# KiCad board BACKUP_PCB.kicad_pcb (continued)
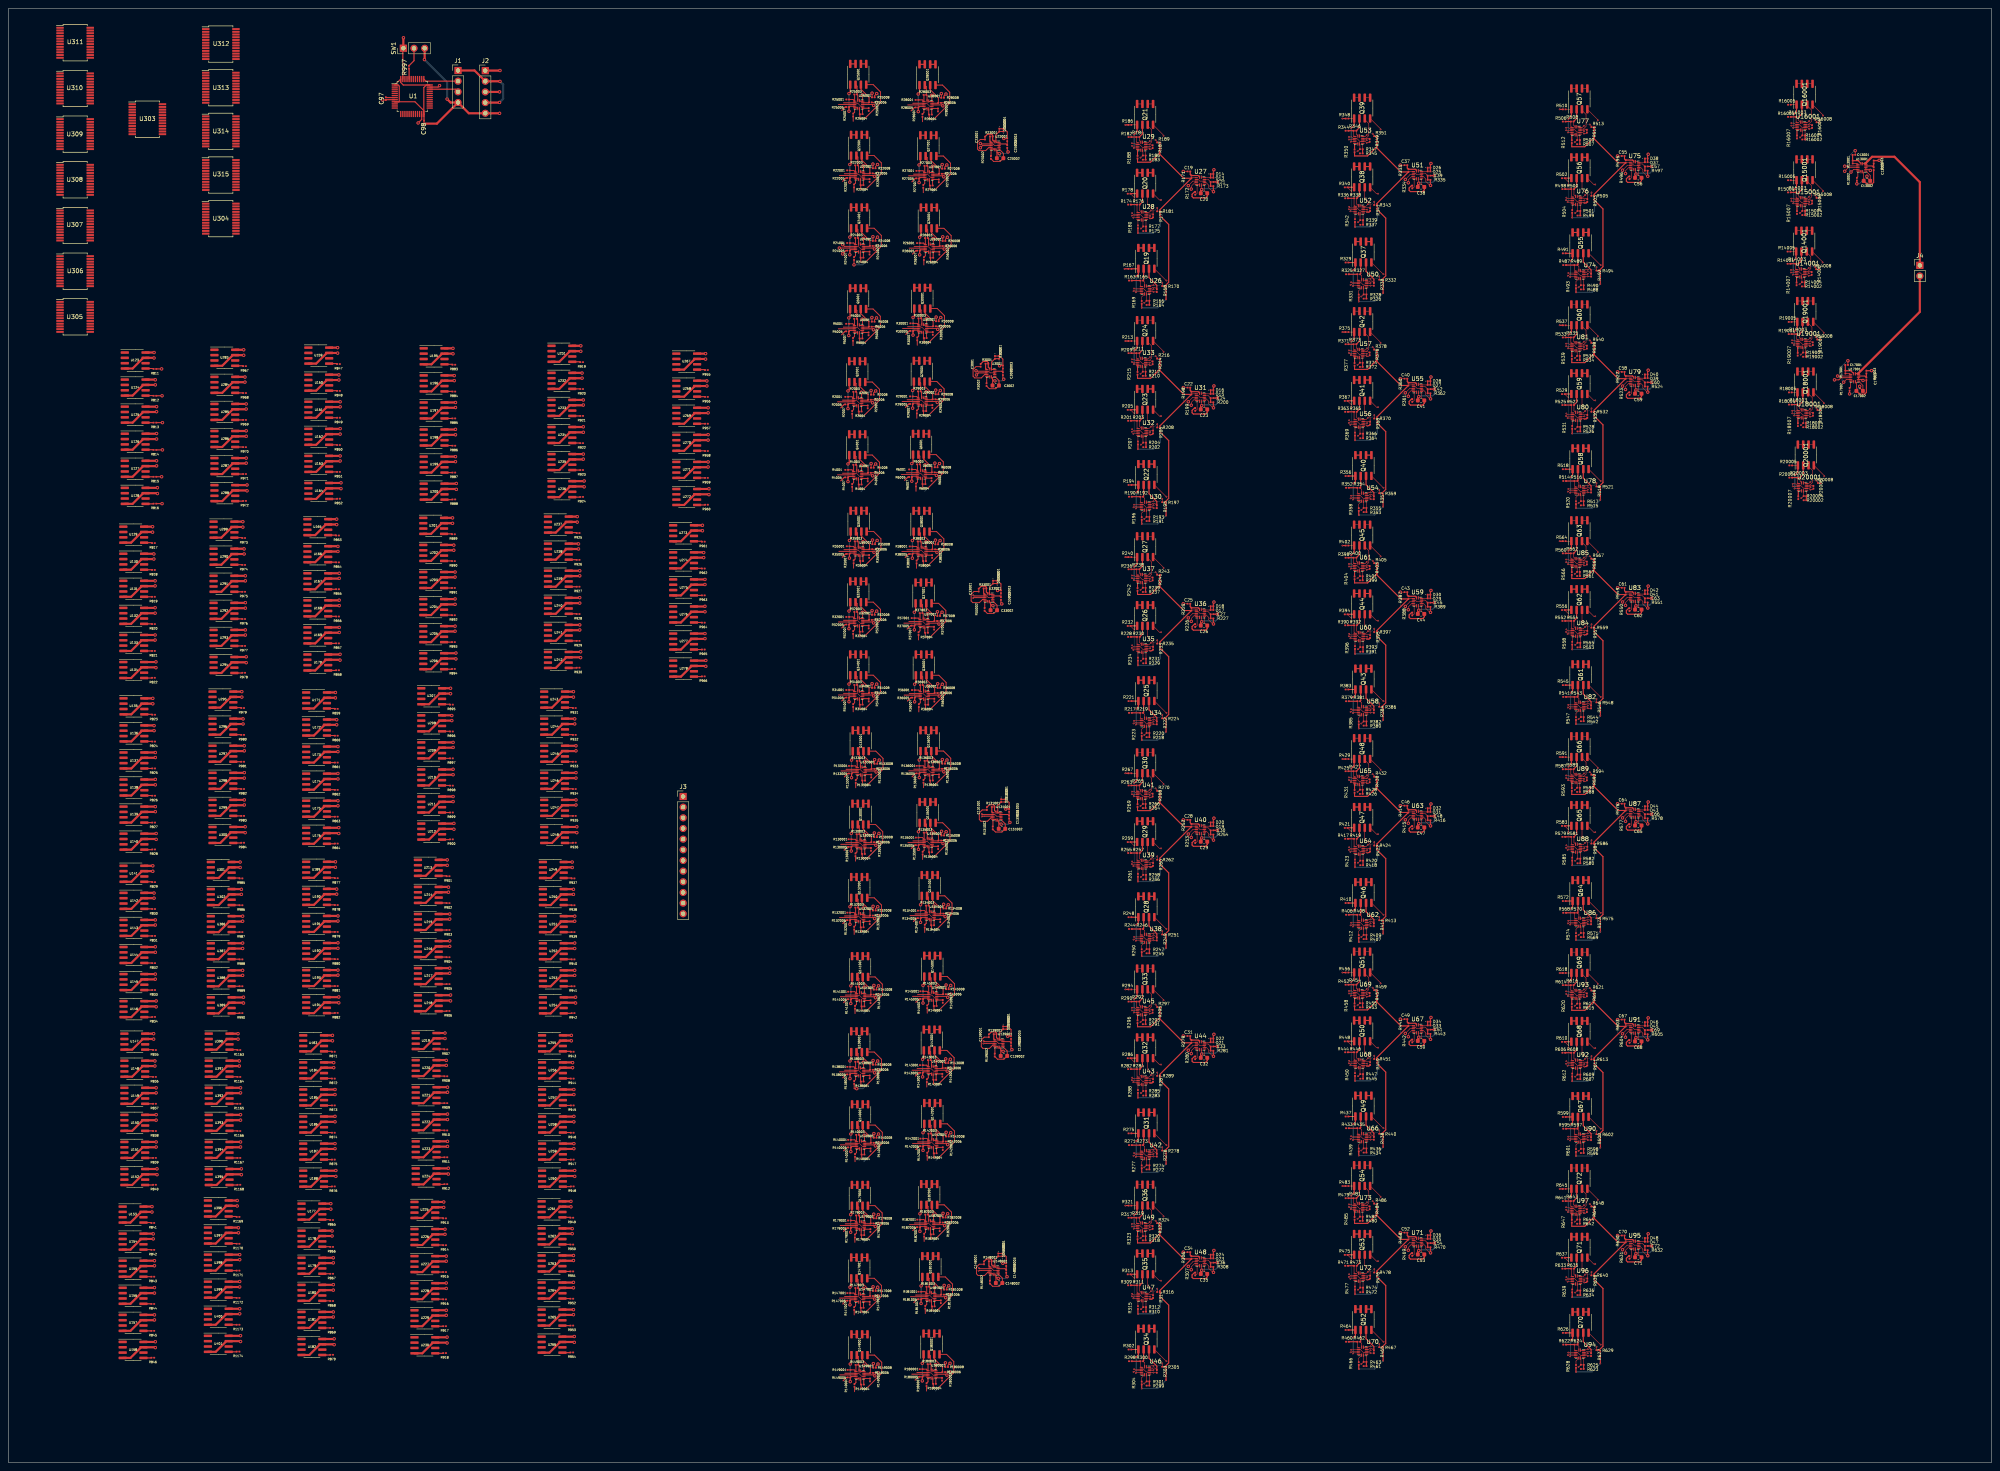
[diagram p0: board, top side]
## Routing (per net, layer and track width the routed paths; a pad name or vN(x,y) marks a point on that pad's centre or on a via; arc(x,y) is an arc through that point) (continued)
  Top w0.1: C63.2 389.22,206.55 U83.11
  Top w0.25: R551.1 C63.2
Net-(U84A--): length 3.5
  Top w0.1: U84.1 372.28,198.92 R554.1
  Top w0.25: R552.2 R554.1
Net-(U84B--): length 2.2
  Top w0.1: U84.6 372.7,196.9 U84.5 ; R558.1 372.5,197
Net-(U84C--): length 2.8
  Top w0.1: R555.1 374.42,197.02
  Top w0.25: R553.2 R555.1
Net-(U84D--): length 4.7
  Top w0.1: v1(377.1,199.75) 377.1,198.97 ; v1(375.6,199.15) 375.1,198.65 U84.12 374.3,198.8 U84.13
  Bottom w0.1: v1(375.6,199.15) 376.5,199.15 v1(377.1,199.75)
Net-(U85A--): length 2.8
  Top w0.1: U85.1 372.18,215.52 R562.1
  Top w0.25: R560.2 R562.1
Net-(U85B--): length 2.3
  Top w0.1: U85.6 373.05,213.65 U85.5
  Top w0.25: R566.1 372.4,213.6 372.42,213.62 372.45,213.62
Net-(U85C--): length 2.4
  Top w0.1: R563.1 374.32,213.62
  Top w0.25: R563.1 R561.2
Net-(U85D--): length 4.2
  Top w0.1: v1(375.3,215.65) 374.9,215.25 U85.12 374.2,215.4 U85.13 ; R567.1 377.08,215.57 v1(376.7,215.95)
  Bottom w0.1: v1(375.3,215.65) 375.6,215.95 v1(376.7,215.95)
Net-(U86A--): length 3.6
  Top w0.1: R570.1 373.08,129.83 U86.1
  Top w0.25: R568.2 R570.1
Net-(U86B--): length 2.8
  Top w0.1: U86.5 373.95,127.96 U86.6 373.4,127.11 R574.1
Net-(U86C--): length 2.7
  Top w0.1: R571.1 375.22,127.93
  Top w0.25: R569.2 R571.1
Net-(U86D--): length 5
  Top w0.1: U86.13 374.65,129.56 U86.12 375.6,129.91 v1(376.2,129.91) ; v1(378.3,130.51) 378.3,129.73
  Bottom w0.1: v1(378.3,130.51) 377.7,129.91 v1(376.2,129.91)
Net-(U87B-+): length 8.7
  Top w0.1: U87.4 386.01,154.31 385.2,153.49 v2(385.2,152.81) ; C64.2 v2(383.3,157.01)
  Bottom w0.1: v2(385.2,152.81) 384.38,152.81 383.3,153.89 v2(383.3,157.01)
Net-(U87B--): length 3.4
  Top w0.1: U87.6 387.04,153.91 U87.5 386.59,153.76 386.59,151.79 386.28,151.49
Net-(U87C--): length 8.5
  Top w0.1: U87.8 388.34,152.48 C65.1
  Top w0.25: C65.1 389.01,151.12 388.6,150.71 385.7,150.71 385.4,151.01 385.4,151.58 385.95,152.13 R577.2
Net-(U87D-+): length 2.7
  Top w0.1: C66.2 389.22,155.11 U87.11
  Top w0.25: R578.1 C66.2
Net-(U88A--): length 3.5
  Top w0.1: U88.1 372.28,147.48 R581.1
  Top w0.25: R579.2 R581.1
Net-(U88B--): length 2.2
  Top w0.1: U88.5 372.7,145.46 U88.6 ; R585.1 372.5,145.56
Net-(U88C--): length 2.8
  Top w0.1: R582.1 374.42,145.58
  Top w0.25: R580.2 R582.1
Net-(U88D--): length 4.7
  Top w0.1: v1(377.1,148.31) 377.1,147.53 ; U88.13 374.3,147.36 U88.12 375.1,147.21 v1(375.6,147.71)
  Bottom w0.1: v1(377.1,148.31) 376.5,147.71 v1(375.6,147.71)
Net-(U89A--): length 2.8
  Top w0.1: R589.1 372.18,164.08 U89.1
  Top w0.25: R587.2 R589.1
Net-(U89B--): length 2.3
  Top w0.1: U89.6 373.05,162.21 U89.5
  Top w0.25: 372.45,162.18 372.42,162.18 372.4,162.16 R593.1
Net-(U89C--): length 2.4
  Top w0.1: R590.1 374.32,162.18
  Top w0.25: R590.1 R588.2
Net-(U89D--): length 4.2
  Top w0.1: R594.1 377.08,164.13 v1(376.7,164.51) ; v1(375.3,164.21) 374.9,163.81 U89.12 374.2,163.96 U89.13
  Bottom w0.1: v1(375.3,164.21) 375.6,164.51 v1(376.7,164.51)
Net-(U90A--): length 3.6
  Top w0.1: R597.1 373.08,78.38 U90.1
  Top w0.25: R595.2 R597.1
Net-(U90B--): length 2.8
  Top w0.1: U90.5 373.95,76.51 U90.6 373.4,75.66 R601.1
Net-(U90C--): length 2.7
  Top w0.1: R598.1 375.22,76.48
  Top w0.25: R596.2 R598.1
Net-(U90D--): length 5
  Top w0.1: v1(378.3,79.06) 378.3,78.28 ; U90.13 374.65,78.11 U90.12 375.6,78.46 v1(376.2,78.46)
  Bottom w0.1: v1(378.3,79.06) 377.7,78.46 v1(376.2,78.46)
Net-(U91B-+): length 8.7
  Top w0.1: U91.4 386.01,102.86 385.2,102.05 v2(385.2,101.36) ; C67.2 v2(383.3,105.56)
  Bottom w0.1: v2(385.2,101.36) 384.38,101.36 383.3,102.44 v2(383.3,105.56)
Net-(U91B--): length 3.4
  Top w0.1: 386.28,100.04 386.59,100.35 386.59,102.31 U91.5 387.04,102.46 U91.6
Net-(U91C--): length 8.5
  Top w0.1: U91.8 388.34,101.04 C68.1
  Top w0.25: C68.1 389.01,99.67 388.6,99.26 385.7,99.26 385.4,99.56 385.4,100.14 385.95,100.68 R604.2
Net-(U91D-+): length 2.7
  Top w0.1: C69.2 389.22,103.66 U91.11
  Top w0.25: R605.1 C69.2
Net-(U92A--): length 3.5
  Top w0.1: U92.1 372.28,96.03 R608.1
  Top w0.25: R606.2 R608.1
Net-(U92B--): length 2.2
  Top w0.1: U92.6 372.7,94.01 U92.5 ; R612.1 372.5,94.11
Net-(U92C--): length 2.8
  Top w0.1: R609.1 374.42,94.13
  Top w0.25: R607.2 R609.1
Net-(U92D--): length 4.7
  Top w0.1: U92.13 374.3,95.91 U92.12 375.1,95.76 v1(375.6,96.26) ; v1(377.1,96.86) 377.1,96.08
  Bottom w0.1: v1(375.6,96.26) 376.5,96.26 v1(377.1,96.86)
Net-(U93A--): length 2.8
  Top w0.1: U93.1 372.18,112.63 R616.1
  Top w0.25: R614.2 R616.1
Net-(U93B--): length 2.3
  Top w0.1: U93.6 373.05,110.76 U93.5
  Top w0.25: R620.1 372.4,110.71 372.42,110.74 372.45,110.74
Net-(U93C--): length 2.4
  Top w0.1: R617.1 374.32,110.73
  Top w0.25: R617.1 R615.2
Net-(U93D--): length 4.2
  Top w0.1: R621.1 377.08,112.68 v1(376.7,113.06) ; v1(375.3,112.76) 374.9,112.36 U93.12 374.2,112.51 U93.13
  Bottom w0.1: v1(375.3,112.76) 375.6,113.06 v1(376.7,113.06)
Net-(U94A--): length 3.6
  Top w0.1: R624.1 373.08,26.94 U94.1
  Top w0.25: R622.2 R624.1
Net-(U94B--): length 2.8
  Top w0.1: U94.5 373.95,25.07 U94.6 373.4,24.22 R628.1
Net-(U94C--): length 2.7
  Top w0.1: R625.1 375.22,25.04
  Top w0.25: R623.2 R625.1
Net-(U94D--): length 5
  Top w0.1: v1(378.3,27.62) 378.3,26.84 ; U94.13 374.65,26.67 U94.12 375.6,27.02 v1(376.2,27.02)
  Bottom w0.1: v1(378.3,27.62) 377.7,27.02 v1(376.2,27.02)
Net-(U95B-+): length 8.7
  Top w0.1: U95.4 386.01,51.42 385.2,50.6 v2(385.2,49.92) ; C70.2 v2(383.3,54.12)
  Bottom w0.1: v2(383.3,54.12) 383.3,51 384.38,49.92 v2(385.2,49.92)
Net-(U95B--): length 3.4
  Top w0.1: 386.28,48.6 386.59,48.91 386.59,50.87 U95.5 387.04,51.02 U95.6
Net-(U95C--): length 8.5
  Top w0.1: U95.8 388.34,49.59 C71.1
  Top w0.25: C71.1 389.01,48.23 388.6,47.82 385.7,47.82 385.4,48.12 385.4,48.69 385.95,49.24 R631.2
Net-(U95D-+): length 2.7
  Top w0.1: U95.11 389.22,52.22 C72.2
  Top w0.25: R632.1 C72.2
Net-(U96A--): length 3.5
  Top w0.1: U96.1 372.28,44.59 R635.1
  Top w0.25: R633.2 R635.1
Net-(U96B--): length 2.2
  Top w0.1: U96.5 372.7,42.57 U96.6 ; R639.1 372.5,42.67
Net-(U96C--): length 2.8
  Top w0.1: R636.1 374.42,42.69
  Top w0.25: R634.2 R636.1
Net-(U96D--): length 4.7
  Top w0.1: v1(377.1,45.42) 377.1,44.64 ; v1(375.6,44.82) 375.1,44.32 U96.12 374.3,44.47 U96.13
  Bottom w0.1: v1(377.1,45.42) 376.5,44.82 v1(375.6,44.82)
Net-(U97A--): length 2.8
  Top w0.1: U97.1 372.18,61.19 R643.1
  Top w0.25: R641.2 R643.1
Net-(U97B--): length 2.3
  Top w0.1: U97.5 373.05,59.32 U97.6
  Top w0.25: 372.45,59.29 372.42,59.29 372.4,59.27 R647.1
Net-(U97C--): length 2.4
  Top w0.1: R644.1 374.32,59.29
  Top w0.25: R644.1 R642.2
Net-(U97D--): length 4.2
  Top w0.1: v1(375.3,61.32) 374.9,60.92 U97.12 374.2,61.07 U97.13 ; R648.1 377.08,61.24 v1(376.7,61.62)
  Bottom w0.1: v1(376.7,61.62) 375.6,61.62 v1(375.3,61.32)
Net-(U123-PA0): length 1.9
  Top w0.25: U123.5 34.48,260.69 R811.2
Net-(U124-PA0): length 1.9
  Top w0.25: U124.5 34.53,254.25
Net-(U125-PA0): length 1.9
  Top w0.25: U125.5 34.58,247.8
Net-(U126-PA0): length 1.9
  Top w0.25: U126.5 34.53,241.34
Net-(U127-PA0): length 1.9
  Top w0.25: U127.5 34.58,234.89
Net-(U128-PA0): length 1.9
  Top w0.25: U128.5 34.52,228.44
Net-(U129-PA0): length 1.9
  Top w0.25: U129.5 34.13,219.19 R817.2
Net-(U130-PA0): length 1.9
  Top w0.25: U130.5 34.19,212.75
Net-(U131-PA0): length 1.9
  Top w0.25: U131.5 34.23,206.29
Net-(U132-PA0): length 1.9
  Top w0.25: U132.5 34.19,199.84
Net-(U133-PA0): length 1.9
  Top w0.25: U133.5 34.23,193.4
Net-(U134-PA0): length 1.8
  Top w0.25: U134.5 34.17,186.94
Net-(U135-PA0): length 1.9
  Top w0.25: R823.2 34.19,178.29 U135.5
Net-(U136-PA0): length 1.9
  Top w0.25: U136.5 34.23,171.84
Net-(U137-PA0): length 1.9
  Top w0.25: U137.5 34.27,165.4
Net-(U138-PA0): length 1.9
  Top w0.25: U138.5 34.23,158.94
Net-(U139-PA0): length 1.9
  Top w0.25: U139.5 34.27,152.5
Net-(U140-PA0): length 1.9
  Top w0.25: U140.5 34.23,146.04
Net-(U141-PA0): length 1.9
  Top w0.25: U141.5 34.19,138.4 R829.2
Net-(U142-PA0): length 1.9
  Top w0.25: U142.5 34.23,131.94
Net-(U143-PA0): length 1.9
  Top w0.25: U143.5 34.27,125.5
Net-(U144-PA0): length 1.9
  Top w0.25: U144.5 34.23,119.04
Net-(U145-PA0): length 1.9
  Top w0.25: U145.5 34.27,112.59
Net-(U146-PA0): length 1.9
  Top w0.25: U146.5 34.23,106.15
Net-(U147-PA0): length 1.9
  Top w0.25: 32.58,98.39 34.38,98.39 R835.2
Net-(U148-PA0): length 1.9
  Top w0.25: 32.58,91.94 34.44,91.94
Net-(U149-PA0): length 1.9
  Top w0.25: U149.5 34.48,85.5
Net-(U150-PA0): length 1.9
  Top w0.25: U150.5 34.44,79.05
Net-(U151-PA0): length 1.9
  Top w0.25: U151.5 34.48,72.6
Net-(U152-PA0): length 1.8
  Top w0.25: 32.58,66.14 34.42,66.14
Net-(U153-PA0): length 1.9
  Top w0.25: R841.2 33.98,57.19 U153.5
Net-(U154-PA0): length 1.9
  Top w0.25: U154.5 34.03,50.75
Net-(U155-PA0): length 1.9
  Top w0.25: U155.5 34.08,44.3
Net-(U156-PA0): length 1.9
  Top w0.25: U156.5 34.03,37.85
Net-(U157-PA0): length 1.9
  Top w0.25: U157.5 34.08,31.39
Net-(U158-PA0): length 1.9
  Top w0.25: 32.17,24.94 34.02,24.94
Net-(U159-PA0): length 1.9
  Top w0.25: U159.5 78.21,261.86 R847.2
Net-(U160-PA0): length 1.9
  Top w0.25: U160.5 78.26,255.41
Net-(U161-PA0): length 1.9
  Top w0.25: U161.5 78.3,248.96
Net-(U162-PA0): length 1.9
  Top w0.25: U162.5 78.26,242.51
Net-(U163-PA0): length 1.9
  Top w0.25: U163.5 78.3,236.06
Net-(U164-PA0): length 1.8
  Top w0.25: U164.5 78.25,229.61
Net-(U165-PA0): length 1.9
  Top w0.25: U165.5 77.98,221 R853.2
Net-(U166-PA0): length 1.9
  Top w0.25: U166.5 78.03,214.54
Net-(U167-PA0): length 1.9
  Top w0.25: U167.5 78.08,208.09
Net-(U168-PA0): length 1.9
  Top w0.25: U168.5 78.03,201.65
Net-(U169-PA0): length 1.9
  Top w0.25: U169.5 78.08,195.19
Net-(U170-PA0): length 1.9
  Top w0.25: U170.5 78.03,188.75
Net-(U171-PA0): length 1.9
  Top w0.25: R859.2 77.69,179.69 U171.5
Net-(U172-PA0): length 1.9
  Top w0.25: U172.5 77.73,173.25
Net-(U173-PA0): length 1.9
  Top w0.25: U173.5 77.78,166.79
Net-(U174-PA0): length 1.9
  Top w0.25: U174.5 77.73,160.34
Net-(U175-PA0): length 1.9
  Top w0.25: U175.5 77.78,153.9
Net-(U176-PA0): length 1.8
  Top w0.25: U176.5 77.72,147.44
Net-(U177-PA0): length 1.9
  Top w0.25: R865.2 76.58,57.89 74.78,57.89
Net-(U178-PA0): length 1.9
  Top w0.25: 74.78,51.44 76.64,51.44
Net-(U179-PA0): length 1.9
  Top w0.25: 74.78,45 76.67,45
Net-(U180-PA0): length 1.9
  Top w0.25: 74.78,38.55 76.64,38.55
Net-(U181-PA0): length 1.9
  Top w0.25: 74.78,32.1 76.67,32.1
Net-(U182-PA0): length 1.8
  Top w0.25: 74.78,25.64 76.62,25.64
Net-(U183-PA0): length 1.9
  Top w0.25: U183.5 76.98,98 R871.2
Net-(U184-PA0): length 1.9
  Top w0.25: U184.5 77.03,91.55
Net-(U185-PA0): length 1.9
  Top w0.25: U185.5 77.08,85.1
Net-(U186-PA0): length 1.9
  Top w0.25: 75.17,78.64 77.03,78.64
Net-(U187-PA0): length 1.9
  Top w0.25: U187.5 77.08,72.19
Net-(U188-PA0): length 1.9
  Top w0.25: U188.5 77.03,65.75
Net-(U189-PA0): length 1.9
  Top w0.25: R877.2 77.69,139.34 U189.5
Net-(U190-PA0): length 1.9
  Top w0.25: U190.5 77.73,132.9
Net-(U191-PA0): length 1.9
  Top w0.25: U191.5 77.78,126.44
Net-(U192-PA0): length 1.9
  Top w0.25: U192.5 77.73,120
Net-(U193-PA0): length 1.9
  Top w0.25: U193.5 77.78,113.54
Net-(U194-PA0): length 1.8
  Top w0.25: U194.5 77.72,107.09
Net-(U195-PA0): length 1.9
  Top w0.25: U195.5 105.69,261.69 R883.2
Net-(U196-PA0): length 1.9
  Top w0.25: U196.5 105.73,255.25
Net-(U197-PA0): length 1.9
  Top w0.25: U197.5 105.78,248.8
Net-(U198-PA0): length 1.9
  Top w0.25: U198.5 105.73,242.34
Net-(U199-PA0): length 1.9
  Top w0.25: U199.5 105.78,235.89
Net-(U200-PA0): length 1.8
  Top w0.25: U200.5 105.72,229.44
Net-(U201-PA0): length 1.9
  Top w0.25: R889.2 105.58,221.29 103.78,221.29
Net-(U202-PA0): length 1.9
  Top w0.25: 103.78,214.84 105.64,214.84
Net-(U203-PA0): length 1.9
  Top w0.25: 103.78,208.4 105.67,208.4
Net-(U204-PA0): length 1.9
  Top w0.25: 103.78,201.94 105.64,201.94
Net-(U205-PA0): length 1.9
  Top w0.25: 103.78,195.5 105.67,195.5
Net-(U206-PA0): length 1.8
  Top w0.25: 103.78,189.04 105.62,189.04
Net-(U207-PA0): length 1.9
  Top w0.25: U207.5 105.11,180.7 105.2,180.6
Net-(U208-PA0): length 1.9
  Top w0.25: U208.5 105.16,174.25
Net-(U209-PA0): length 1.9
  Top w0.25: U209.5 105.2,167.8
Net-(U210-PA0): length 1.9
  Top w0.25: U210.5 105.16,161.35
Net-(U211-PA0): length 1.9
  Top w0.25: U211.5 105.2,154.9
Net-(U212-PA0): length 1.9
  Top w0.25: U212.5 105.15,148.45
Net-(U213-PA0): length 1.9
  Top w0.25: U213.5 104.31,139.81 R901.2
Net-(U214-PA0): length 1.9
  Top w0.25: U214.5 104.36,133.36
Net-(U215-PA0): length 1.9
  Top w0.25: U215.5 104.4,126.91
Net-(U216-PA0): length 1.9
  Top w0.25: U216.5 104.36,120.46
Net-(U217-PA0): length 1.9
  Top w0.25: U217.5 104.4,114.01
Net-(U218-PA0): length 1.8
  Top w0.25: U218.5 104.35,107.56
Net-(U219-PA0): length 1.9
  Top w0.25: U219.5 103.78,98.55 R907.2
Net-(U220-PA0): length 1.9
  Top w0.25: U220.5 103.83,92.1
Net-(U221-PA0): length 1.9
  Top w0.25: 101.97,85.64 103.88,85.64
Net-(U222-PA0): length 1.9
  Top w0.25: U222.5 103.83,79.19
Net-(U223-PA0): length 1.9
  Top w0.25: U223.5 103.88,72.75
Net-(U224-PA0): length 1.9
  Top w0.25: U224.5 103.83,66.3
Net-(U225-PA0): length 1.9
  Top w0.25: R913.2 103.48,58.3 U225.5
Net-(U226-PA0): length 1.9
  Top w0.25: U226.5 103.53,51.85
Net-(U227-PA0): length 1.9
  Top w0.25: U227.5 103.58,45.39
Net-(U228-PA0): length 1.9
  Top w0.25: 101.67,38.94 103.53,38.94
Net-(U229-PA0): length 1.9
  Top w0.25: U229.5 103.58,32.5
Net-(U230-PA0): length 1.9
  Top w0.25: U230.5 103.53,26.05
Net-(U231-PA0): length 1.9
  Top w0.25: U231.5 136.13,262.3 R919.2
Net-(U232-PA0): length 1.9
  Top w0.25: U232.5 136.19,255.84
Net-(U233-PA0): length 1.9
  Top w0.25: U233.5 136.22,249.39
Net-(U234-PA0): length 1.9
  Top w0.25: U234.5 136.19,242.94
Net-(U235-PA0): length 1.9
  Top w0.25: U235.5 136.22,236.5
Net-(U236-PA0): length 1.9
  Top w0.25: 134.32,230.04 136.18,230.04
Net-(U237-PA0): length 1.9
  Top w0.25: U237.5 135.28,221.59 R925.2
Net-(U238-PA0): length 1.9
  Top w0.25: U238.5 135.34,215.15
Net-(U239-PA0): length 1.9
  Top w0.25: U239.5 135.38,208.69
Net-(U240-PA0): length 1.9
  Top w0.25: U240.5 135.34,202.25
Net-(U241-PA0): length 1.9
  Top w0.25: U241.5 135.38,195.79
Net-(U242-PA0): length 1.8
  Top w0.25: U242.5 135.32,189.34
Net-(U243-PA0): length 1.9
  Top w0.25: R931.2 134.38,179.9 U243.5
Net-(U244-PA0): length 1.9
  Top w0.25: U244.5 134.44,173.44
Net-(U245-PA0): length 1.9
  Top w0.25: U245.5 134.47,167
Net-(U246-PA0): length 1.9
  Top w0.25: U246.5 134.44,160.54
Net-(U247-PA0): length 1.9
  Top w0.25: U247.5 134.47,154.09
Net-(U248-PA0): length 1.9
  Top w0.25: U248.5 134.43,147.65
Net-(U249-PA0): length 1.9
  Top w0.25: U249.5 134.09,139.29 R937.2
Net-(U250-PA0): length 1.9
  Top w0.25: U250.5 134.13,132.84
Net-(U251-PA0): length 1.9
  Top w0.25: U251.5 134.18,126.4
Net-(U252-PA0): length 1.9
  Top w0.25: U252.5 134.13,119.94
Net-(U253-PA0): length 1.9
  Top w0.25: U253.5 134.18,113.5
Net-(U254-PA0): length 1.8
  Top w0.25: U254.5 134.12,107.04
Net-(U255-PA0): length 1.9
  Top w0.25: U255.5 133.88,98 R943.2
Net-(U256-PA0): length 1.9
  Top w0.25: U256.5 133.94,91.55
Net-(U257-PA0): length 1.9
  Top w0.25: U257.5 133.97,85.1
Net-(U258-PA0): length 1.9
  Top w0.25: 132.07,78.64 133.94,78.64
Net-(U259-PA0): length 1.9
  Top w0.25: U259.5 133.97,72.19
Net-(U260-PA0): length 1.9
  Top w0.25: U260.5 133.93,65.75
Net-(U261-PA0): length 1.9
  Top w0.25: R949.2 133.78,58.44 131.97,58.44
Net-(U262-PA0): length 1.9
  Top w0.25: U262.5 133.84,52
Net-(U263-PA0): length 1.9
  Top w0.25: U263.5 133.88,45.55
Net-(U264-PA0): length 1.9
  Top w0.25: U264.5 133.84,39.1
Net-(U265-PA0): length 1.9
  Top w0.25: 131.97,32.64 133.88,32.64
Net-(U266-PA0): length 1.8
  Top w0.25: U266.5 133.82,26.19
Net-(U267-PA0): length 1.9
  Top w0.25: U267.5 165.86,260.43 R955.2
Net-(U268-PA0): length 1.9
  Top w0.25: U268.5 165.91,253.98
Net-(U269-PA0): length 1.9
  Top w0.25: U269.5 165.95,247.53
Net-(U270-PA0): length 1.9
  Top w0.25: U270.5 165.91,241.08
Net-(U271-PA0): length 1.9
  Top w0.25: U271.5 165.95,234.63
Net-(U272-PA0): length 1.8
  Top w0.25: U272.5 165.9,228.18
Net-(U273-PA0): length 1.9
  Top w0.25: R961.2 165.11,219.53 U273.5
Net-(U274-PA0): length 1.9
  Top w0.25: U274.5 165.16,213.08
Net-(U275-PA0): length 1.9
  Top w0.25: U275.5 165.2,206.63
Net-(U276-PA0): length 1.9
  Top w0.25: U276.5 165.16,200.18
Net-(U277-PA0): length 1.9
  Top w0.25: U277.5 165.2,193.73
Net-(U278-PA0): length 1.8
  Top w0.25: U278.5 165.15,187.28
Net-(U283-PA0): length 1.9
  Top w0.25: R967.2 55.83,261.35 U283.5
Net-(U284-PA0): length 1.9
  Top w0.25: U284.5 55.89,254.89
Net-(U285-PA0): length 1.9
  Top w0.25: U285.5 55.92,248.44
Net-(U286-PA0): length 1.9
  Top w0.25: U286.5 55.89,242
Net-(U287-PA0): length 1.9
  Top w0.25: U287.5 55.92,235.55
Net-(U288-PA0): length 1.8
  Top w0.25: U288.5 55.88,229.09
Net-(U289-PA0): length 1.9
  Top w0.25: R973.2 55.64,220.4 U289.5
Net-(U290-PA0): length 1.9
  Top w0.25: U290.5 55.69,213.94
Net-(U291-PA0): length 1.9
  Top w0.25: U291.5 55.72,207.5
Net-(U292-PA0): length 1.9
  Top w0.25: U292.5 55.69,201.04
Net-(U293-PA0): length 1.9
  Top w0.25: U293.5 55.72,194.59
Net-(U294-PA0): length 1.8
  Top w0.25: U294.5 55.67,188.15
Net-(U295-PA0): length 1.9
  Top w0.25: R979.2 55.39,179.9 U295.5
Net-(U296-PA0): length 1.9
  Top w0.25: U296.5 55.44,173.44
Net-(U297-PA0): length 1.9
  Top w0.25: U297.5 55.47,167
Net-(U298-PA0): length 1.9
  Top w0.25: U298.5 55.44,160.54
Net-(U299-PA0): length 1.9
  Top w0.25: U299.5 55.47,154.09
Net-(U300-PA0): length 1.8
  Top w0.25: U300.5 55.42,147.65
Net-(U301-PA0): length 1.9
  Top w0.25: R985.2 54.98,139.29 U301.5
Net-(U302-PA0): length 1.9
  Top w0.25: U302.5 55.03,132.84
Net-(U386-PA0): length 1.9
  Top w0.25: U386.5 55.08,126.4
Net-(U387-PA0): length 1.9
  Top w0.25: U387.5 55.03,119.94
Net-(U388-PA0): length 1.9
  Top w0.25: U388.5 55.08,113.5
Net-(U389-PA0): length 1.9
  Top w0.25: U389.5 55.03,107.04
Net-(U390-PA0): length 1.9
  Top w0.25: 52.67,98.39 54.48,98.39 R1163.2
Net-(U391-PA0): length 1.9
  Top w0.25: 52.67,91.94 54.53,91.94
Net-(U392-PA0): length 1.9
  Top w0.25: U392.5 54.58,85.5
Net-(U393-PA0): length 1.9
  Top w0.25: U393.5 54.53,79.05
Net-(U394-PA0): length 1.9
  Top w0.25: U394.5 54.58,72.6
Net-(U395-PA0): length 1.9
  Top w0.25: 52.67,66.14 54.53,66.14
Net-(U396-PA0): length 1.9
  Top w0.25: R1169.2 54.28,58.64 52.47,58.64
Net-(U397-PA0): length 1.9
  Top w0.25: U397.5 54.33,52.19
Net-(U398-PA0): length 1.9
  Top w0.25: U398.5 54.38,45.75
Net-(U399-PA0): length 1.9
  Top w0.25: U399.5 54.33,39.3
Net-(U400-PA0): length 1.9
  Top w0.25: U400.5 54.38,32.85
Net-(U401-PA0): length 1.9
  Top w0.25: U401.5 54.33,26.39
Net-(U2001A--): length 3.1
  Top w0.2: R2003.1 201.34,255.08 U2001.1 200.94,253.95 R2001.2
Net-(U2001B--): length 2.3
  Top w0.2: R2007.1 201.34,250.92 U2001.5 201.94,251.95 U2001.6
Net-(U2001C--): length 3
  Top w0.2: R2002.2 203.32,251.87 U2001.8 203.21,251.92 R2004.1
Net-(U2001D--): length 5.8
  Top w0.2: U2001.13 202.64,253.55 U2001.12 203.24,255 v2(203.19,255.05) ; R2008.1 205.49,254.47 v2(205.49,255.45)
  Bottom w0.2: v2(205.49,255.45) 205.09,255.05 v2(203.19,255.05)
Net-(U3001B-+): length 7.4
  Top w0.2: U3001.4 232.54,259.25 231.74,258.45 230.19,258.45 229.79,258.85 229.79,260.44 230.48,261.13 C3001.2
Net-(U3001B--): length 2.5
  Top w0.2: R3002.1 233.04,257.22 U3001.5 233.64,258.85 U3001.6
Net-(U3001C--): length 6.2
  Top w0.2: U3001.8 235.96,257.82 C3002.1 235.19,255.88 233.64,255.88 R3002.2
Net-(U3001D-+): length 3
  Top w0.2: R3003.1 C3003.2 236.61,260.05 U3001.11
Net-(U4001A--): length 3.1
  Top w0.2: R4001.2 200.94,236.55 U4001.1 201.34,237.68 R4003.1
Net-(U4001B--): length 2.3
  Top w0.2: U4001.6 201.94,234.55 U4001.5 201.34,233.52 R4007.1
Net-(U4001C--): length 3
  Top w0.2: R4004.1 203.21,234.52 U4001.8 203.32,234.47 R4002.2
Net-(U4001D--): length 5.8
  Top w0.2: v2(203.19,237.65) 203.24,237.6 U4001.12 202.64,236.15 U4001.13 ; R4008.1 205.49,237.07 v2(205.49,238.05)
  Bottom w0.2: v2(203.19,237.65) 205.09,237.65 v2(205.49,238.05)
Net-(U5001A--): length 3.1
  Top w0.2: R5001.2 201.14,271.35 U5001.1 201.54,272.48 R5003.1
Net-(U5001B--): length 2.3
  Top w0.2: U5001.6 202.14,269.35 U5001.5 201.54,268.32 R5007.1
Net-(U5001C--): length 3
  Top w0.2: R5004.1 203.41,269.32 U5001.8 203.52,269.27 R5002.2
Net-(U5001D--): length 5.8
  Top w0.2: v2(205.69,272.85) 205.69,271.87 R5008.1 ; U5001.13 202.84,270.95 U5001.12 203.44,272.4 v2(203.39,272.45)
  Bottom w0.2: v2(203.39,272.45) 205.29,272.45 v2(205.69,272.85)
Net-(U6001A--): length 3.1
  Top w0.2: R6001.2 216.14,236.65 U6001.1 216.54,237.78 R6003.1
Net-(U6001B--): length 2.3
  Top w0.2: U6001.6 217.14,234.65 U6001.5 216.54,233.62 R6007.1
Net-(U6001C--): length 3
  Top w0.2: R6002.2 218.52,234.57 U6001.8 218.41,234.62 R6004.1
Net-(U6001D--): length 5.8
  Top w0.2: v2(220.69,238.15) 220.69,237.17 R6008.1 ; U6001.13 217.84,236.25 U6001.12 218.44,237.7 v2(218.39,237.75)
  Bottom w0.2: v2(218.39,237.75) 220.29,237.75 v2(220.69,238.15)
Net-(U13001B-+): length 8.9
  Top w0.15: U13001.4 439.56,308.15 v2(438.91,307.5) ; C13001.2 439.91,311.62 v2(439.91,312.6)
  Bottom w0.15: v2(439.91,312.6) 439.71,312.6 438.51,311.4 438.51,307.9 v2(438.91,307.5)
Net-(U13001B--): length 2.5
  Top w0.15: R13002.1 440.54,306.35 U13001.5 441.14,307.75 U13001.6
Net-(U13001C--): length 8.1
  Top w0.15: U13001.8 443.48,306.71 C13002.1
  Top w0.2: R13002.2 v2(440.31,304.7) ; C13002.1 442.71,306.17 v2(442.71,306.5)
  Bottom w0.2: v2(440.31,304.7) 440.91,304.7 v2(442.71,306.5)
Net-(U13001D-+): length 3
  Top w0.2: U13001.11 443.97,308.95 C13003.2
  Top w0.25: C13003.2 R13003.1
Net-(U14001A--): length 2.8
  Top w0.1: U14001.1 425.72,284.52 R14003.1
  Top w0.25: R14001.2 R14003.1
Net-(U14001B--): length 2.3
  Top w0.1: U14001.5 426.59,282.65 U14001.6
  Top w0.25: R14007.1 425.94,282.6 425.97,282.63 425.99,282.63
Net-(U14001C--): length 2.4
  Top w0.1: R14004.1 427.86,282.62
  Top w0.25: R14004.1 R14002.2
Net-(U14001D--): length 4.2
  Top w0.1: R14008.1 430.62,284.57 v1(430.24,284.95) ; v1(428.84,284.65) 428.44,284.25 U14001.12 427.74,284.4 U14001.13
  Bottom w0.1: v1(428.84,284.65) 429.14,284.95 v1(430.24,284.95)
Net-(U15001A--): length 2.8
  Top w0.1: U15001.1 425.82,301.52 R15003.1
  Top w0.25: R15001.2 R15003.1
Net-(U15001B--): length 2.3
  Top w0.1: U15001.6 426.69,299.65 U15001.5
  Top w0.25: 426.09,299.63 426.07,299.63 426.04,299.6 R15007.1
Net-(U15001C--): length 2.4
  Top w0.1: R15004.1 427.96,299.62
  Top w0.25: R15004.1 R15002.2
Net-(U15001D--): length 4.2
  Top w0.1: R15008.1 430.72,301.57 v1(430.34,301.95) ; v1(428.94,301.65) 428.54,301.25 U15001.12 427.84,301.4 U15001.13
  Bottom w0.1: v1(428.94,301.65) 429.24,301.95 v1(430.34,301.95)
Net-(U16001A--): length 2.8
  Top w0.1: U16001.1 425.82,319.52 R16003.1
  Top w0.25: R16001.2 R16003.1
Net-(U16001B--): length 2.3
  Top w0.1: U16001.6 426.69,317.65 U16001.5
  Top w0.25: 426.09,317.63 426.07,317.63 426.04,317.6 R16007.1
Net-(U16001C--): length 2.4
  Top w0.1: R16004.1 427.96,317.62
  Top w0.25: R16004.1 R16002.2
Net-(U16001D--): length 4.2
  Top w0.1: R16008.1 430.72,319.57 v1(430.34,319.95) ; U16001.13 427.84,319.4 U16001.12 428.54,319.25 v1(428.94,319.65)
  Bottom w0.1: v1(428.94,319.65) 429.24,319.95 v1(430.34,319.95)
Net-(U17001B-+): length 8.9
  Top w0.15: v2(438.17,262.54) 438.17,261.56 C17001.2 ; U17001.4 437.83,258.1 v2(437.17,257.44)
  Bottom w0.15: v2(438.17,262.54) 437.97,262.54 436.77,261.34 436.77,257.84 v2(437.17,257.44)
Net-(U17001B--): length 2.5
  Top w0.15: R17002.1 438.81,256.3 U17001.5 439.41,257.7 U17001.6
Net-(U17001C--): length 8.1
  Top w0.15: U17001.8 441.75,256.66 C17002.1
  Top w0.2: C17002.1 440.97,256.12 v2(440.97,256.44) ; R17002.2 v2(438.57,254.64)
  Bottom w0.2: v2(440.97,256.44) 439.17,254.64 v2(438.57,254.64)
Net-(U17001D-+): length 3
  Top w0.2: C17003.2 442.24,258.9 U17001.11
  Top w0.25: C17003.2 R17003.1
Net-(U18001A--): length 2.8
  Top w0.1: R18003.1 426.04,250.97 U18001.1
  Top w0.25: R18001.2 R18003.1
Net-(U18001B--): length 2.3
  Top w0.1: U18001.5 426.91,249.1 U18001.6
  Top w0.25: R18007.1 426.26,249.05 426.28,249.07 426.31,249.07
Net-(U18001C--): length 2.4
  Top w0.1: R18004.1 428.18,249.07
  Top w0.25: R18004.1 R18002.2
Net-(U18001D--): length 4.2
  Top w0.1: v1(430.56,251.4) 430.94,251.02 R18008.1 ; v1(429.16,251.1) 428.76,250.7 U18001.12 428.06,250.85 U18001.13
  Bottom w0.1: v1(430.56,251.4) 429.46,251.4 v1(429.16,251.1)
Net-(U19001A--): length 2.8
  Top w0.1: R19003.1 425.99,267.77 U19001.1
  Top w0.25: R19001.2 R19003.1
Net-(U19001B--): length 2.3
  Top w0.1: U19001.6 426.86,265.9 U19001.5
  Top w0.25: 426.26,265.87 426.23,265.87 426.21,265.85 R19007.1
Net-(U19001C--): length 2.4
  Top w0.1: R19004.1 428.13,265.87
  Top w0.25: R19004.1 R19002.2
Net-(U19001D--): length 4.2
  Top w0.1: v1(430.51,268.2) 430.89,267.82 R19008.1 ; U19001.13 428.01,267.65 U19001.12 428.71,267.5 v1(429.11,267.9)
  Bottom w0.1: v1(429.11,267.9) 429.41,268.2 v1(430.51,268.2)
Net-(U20001A--): length 2.8
  Top w0.1: R20003.1 426.14,233.57 U20001.1
  Top w0.25: R20001.2 R20003.1
